# Altium PCB PCBDesign.PcbDoc (part 6 of 8) (continued)
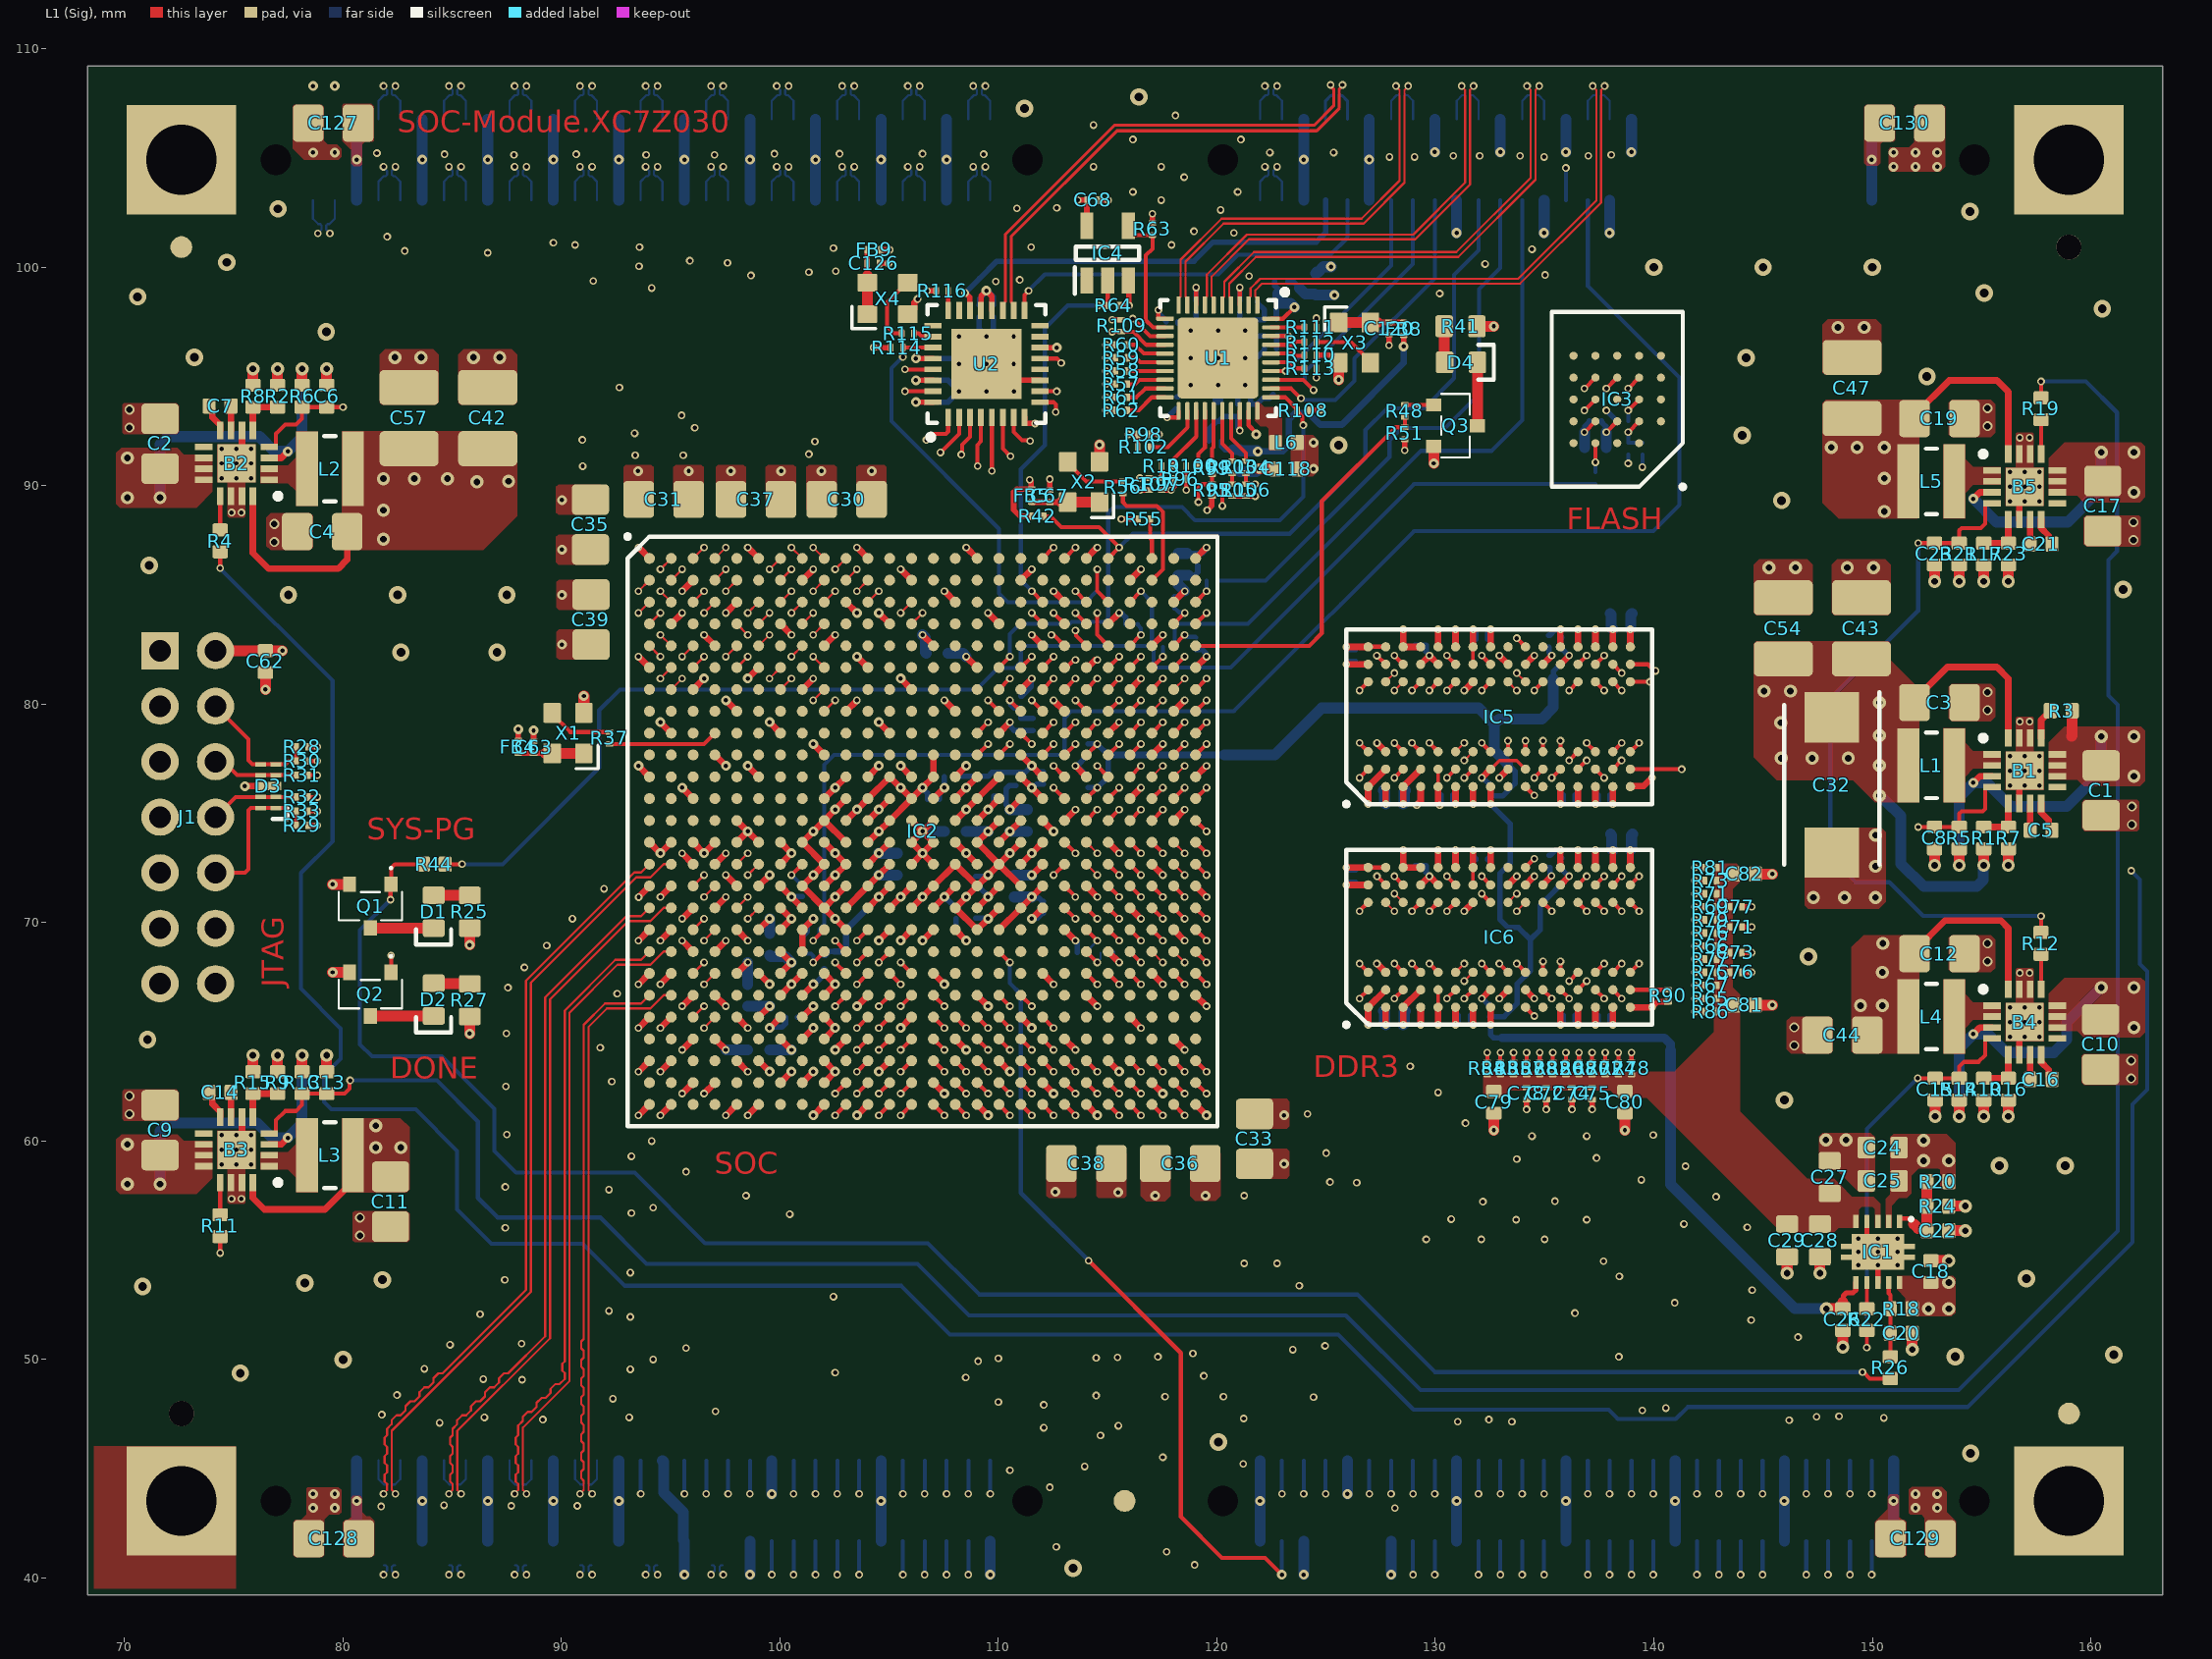
[diagram p0: L1 (Sig) view]
## Nets (pads, with @x,y where several pads share a name; then routed paths per layer and width w, separated by ;. In a path a pad name is that pad's centre, name@x,y a point inside that pad or via, vN(x,y) a via of type N, cw(c..) or ccw(c..) an arc to the next point about the centre after c; other vN are vias at no path point) (continued)
DDR_DQS0_N: IC2.G25 IC5.B7 | length 19.4
  L1 (Sig) w0.1: IC2.G25@118.025,80.675 v1(118.525,81.175) ; IC5.B7@127.725,81.025 v1(128.125,81.425)
  L7 (Sig) w0.09: v1(118.525,81.175) 118.3,80.95 118.3,80.843 118.353,80.79 120.75,80.79 120.865,80.79 120.944,80.869 120.944,82.129 121.164,82.349 121.995,82.349 122.214,82.129 122.214,80.869 122.293,80.79 122.432,80.79 122.647,80.79 122.84,80.597 122.84,79.503 122.893,79.45 123.497,79.45 123.69,79.257 123.69,78.818 123.743,78.765 124.397,78.765 124.45,78.818 124.45,80.182 124.643,80.375 125.757,80.375 125.81,80.428 125.81,81.282 126.003,81.475 126.589,81.475 126.919,81.145 127.075,81.145 127.12,81.145 127.173,81.198 127.173,81.437 127.222,81.486 127.614,81.486 127.663,81.437 127.663,81.198 127.715,81.145 127.948,81.145 128.072,81.145 128.125,81.198 v1(128.125,81.425)
DDR_DQS0_P: IC2.H24 IC5.C7 | length 19.4
  L1 (Sig) w0.1: IC2.H24@117.025,79.675 v1(117.525,80.175) ; v1(128.125,80.625) IC5.C7@128.525,81.025
  L7 (Sig) w0.09: v1(117.525,80.175) 117.575,80.225 117.575,80.375 117.75,80.55 120.225,80.55 120.75,80.55 120.965,80.55 121.184,80.77 121.184,82.03 121.263,82.109 121.895,82.109 121.974,82.03 121.974,80.77 122.194,80.55 122.432,80.55 122.547,80.55 122.6,80.497 122.6,79.403 122.793,79.21 123.397,79.21 123.45,79.157 123.45,78.718 123.643,78.525 124.497,78.525 124.69,78.718 124.69,80.082 124.743,80.135 125.857,80.135 126.05,80.328 126.05,81.182 126.103,81.235 126.49,81.235 126.82,80.905 128.072,80.905 128.125,80.852 v1(128.125,80.625)
DDR_DQS1_N: IC2.L25 IC5.G3 | length 20.6
  L1 (Sig) w0.1: IC2.L25@118.025,76.675 v1@118.525,77.176 ; v1(131.325,77.425) IC5.G3@131.725,77.825
  L5 (Sig) w0.09: v1(118.525,77.177) 118.198,77.177 118.145,77.23 118.145,77.475 118.22,77.55 118.675,77.55 118.85,77.375 119.225,77.375 119.4,77.55 119.85,77.55 120.025,77.375 120.4,77.375 120.575,77.55 121.139,77.55 122.349,78.76 122.446,78.76 123.399,78.76 123.459,78.7 123.459,78.375 123.66,78.175 124.337,78.175 124.537,78.375 124.537,78.7 124.597,78.76 124.735,78.76 125.1,78.76 125.315,78.76 125.515,78.96 125.515,79.155 125.575,79.215 126.053,79.215 126.113,79.155 126.113,78.778 126.313,78.577 126.991,78.577 127.191,78.778 127.191,79.155 127.251,79.215 127.729,79.215 127.789,79.155 127.789,78.778 127.989,78.577 128.667,78.577 128.867,78.778 128.867,79.155 128.927,79.215 129.405,79.215 129.465,79.155 129.465,78.96 129.665,78.76 129.925,78.76 130.022,78.76 130.075,78.707 130.075,77.898 130.398,77.575 130.85,77.575 130.98,77.705 131.123,77.705 131.273,77.704 131.325,77.652 v1(131.325,77.425)
DDR_DQS1_P: IC2.L24 IC5.F3 | length 20.6
  L1 (Sig) w0.1: IC2.L24@117.025,76.675 v1@117.525,77.176 ; IC5.F3@130.925,77.825 v1(131.325,78.225)
  L5 (Sig) w0.09: v1(117.525,77.177) 117.852,77.177 117.905,77.23 117.905,77.574 118.121,77.79 121.04,77.79 122.25,79 122.446,79 123.499,79 123.699,78.8 123.699,78.474 123.759,78.415 124.237,78.415 124.297,78.474 124.297,78.8 124.498,79 124.735,79 125.1,79 125.215,79 125.275,79.06 125.275,79.254 125.475,79.455 126.153,79.455 126.353,79.254 126.353,78.877 126.413,78.817 126.891,78.817 126.951,78.877 126.951,79.254 127.151,79.455 127.829,79.455 128.029,79.254 128.029,78.877 128.089,78.817 128.567,78.817 128.627,78.877 128.627,79.254 128.827,79.455 129.505,79.455 129.705,79.254 129.705,79.06 129.765,79 129.925,79 130.122,79 130.315,78.807 130.315,77.998 130.368,77.945 131.272,77.945 131.325,77.998 v1(131.325,78.225)
DDR_DQS2_N: IC2.R25 IC6.B7 | length 16.4
  L1 (Sig) w0.1: IC2.R25@118.025,72.675 v1(118.525,72.175) ; IC6.B7@127.725,70.925 v1(128.125,70.525)
  L7 (Sig) w0.09: v1(118.525,72.175) 118.525,72.502 118.578,72.555 119.054,72.555 121.231,72.555 121.443,72.343 121.595,72.191 121.878,72.191 122.235,72.548 122.319,72.548 122.657,72.209 122.657,72.125 122.19,71.658 122.19,71.374 122.669,70.895 122.953,70.895 123.42,71.363 123.504,71.363 123.843,71.024 123.843,70.94 123.486,70.583 123.486,70.3 123.68,70.105 123.936,69.85 124.647,69.85 124.84,70.043 124.84,70.901 124.939,71 126.711,71 126.906,70.805 128.072,70.805 128.125,70.752 v1(128.125,70.525)
DDR_DQS2_P: IC2.P25 IC6.C7 | length 16.4
  L1 (Sig) w0.1: IC2.P25@118.025,73.675 v1(118.525,73.175) ; v1(128.125,71.325) IC6.C7@128.525,70.925
  L7 (Sig) w0.09: v1(118.525,73.175) 118.525,72.848 118.578,72.795 118.955,72.795 121.33,72.795 121.612,72.513 121.694,72.431 121.779,72.431 122.135,72.788 122.419,72.788 122.897,72.309 122.897,72.025 122.43,71.558 122.43,71.474 122.769,71.135 122.853,71.135 123.32,71.603 123.604,71.603 124.083,71.124 124.083,70.84 123.726,70.484 123.726,70.399 123.85,70.275 124.035,70.09 124.547,70.09 124.6,70.143 124.6,71 124.84,71.24 126.81,71.24 127.005,71.045 128.072,71.045 128.125,71.098 v1(128.125,71.325)
DDR_DQS3_N: IC2.W25 IC6.G3 | length 17.3
  L1 (Sig) w0.1: IC2.W25@118.025,68.675 v1(118.525,68.175) ; v1(131.325,67.325) IC6.G3@131.725,67.725
  L5 (Sig) w0.09: v1(118.525,68.175) 118.198,68.175 118.145,68.228 118.145,68.45 118.245,68.55 120.225,68.55 121.964,68.55 122.489,69.075 124.75,69.075 130.082,69.075 130.135,69.022 130.135,67.798 130.328,67.605 130.422,67.605 130.475,67.552 130.475,67.378 130.528,67.325 130.797,67.325 130.85,67.378 130.85,67.525 130.93,67.605 131.272,67.605 131.325,67.552 v1(131.325,67.325)
DDR_DQS3_P: IC2.W24 IC6.F3 | length 17.3
  L1 (Sig) w0.1: IC2.W24@117.025,68.675 v1(117.525,68.175) ; IC6.F3@130.925,67.725 v1(131.325,68.125)
  L5 (Sig) w0.09: v1(117.525,68.175) 117.852,68.175 117.905,68.228 117.905,68.549 118.146,68.79 120.225,68.79 121.865,68.79 122.39,69.315 124.75,69.315 130.182,69.315 130.375,69.122 130.375,67.898 130.428,67.845 131.272,67.845 131.325,67.898 v1(131.325,68.125)
DDR_ODT: IC2.Y22 IC5.K1 IC6.K1 R87.2 | length 62.2
  L1 (Sig) w0.185: IC2.Y22@115.025,67.675 v1(115.525,67.175) ; IC6.K1@134.125,66.125 v1(134.525,65.725) ; IC5.K1@134.125,76.225 v1(134.525,75.825) ; R87.2@134.175,63.6 v1(134.175,64.05)
  L3 (Sig) w0.1: v1(115.525,67.175) 115.525,67.716 115.466,67.775 115.375,67.775 115.066,68.084 114.984,68.084 114.616,67.716 114.616,67.634 114.95,67.3 114.95,67.05 115.425,66.575 119.866,66.575 119.925,66.516 119.925,66.184 119.984,66.125 120.316,66.125 120.375,66.184 120.375,66.466 120.434,66.525 120.766,66.525 120.825,66.466 120.825,66.184 120.884,66.125 121.216,66.125 121.275,66.184 121.275,66.466 121.334,66.525 121.666,66.525 121.725,66.466 121.725,66.184 121.784,66.125 122.116,66.125 122.175,66.184 122.175,66.466 122.234,66.525 122.566,66.525 122.625,66.466 122.625,66.184 122.684,66.125 123.016,66.125 123.075,66.184 123.075,66.466 123.134,66.525 123.466,66.525 123.525,66.466 123.525,66.184 123.584,66.125 123.875,66.125 124.134,66.384 124.134,66.466 123.729,66.871 123.729,66.954 126.075,69.3 127.45,69.3 127.825,69.675 128.991,69.675 129.05,69.734 129.05,70.066 128.991,70.125 127.309,70.125 127.25,70.184 127.25,71.316 127.191,71.375 127.009,71.375 126.95,71.434 126.95,72.891 127.009,72.95 127.641,72.95 127.7,73.009 127.7,73.966 127.759,74.025 128.091,74.025 128.15,73.966 128.15,73.009 128.209,72.95 128.491,72.95 128.55,72.891 128.55,72.559 128.491,72.5 127.759,72.5 127.7,72.441 127.7,70.984 127.759,70.925 128.841,70.925 128.9,70.984 128.9,74.525 128.975,74.6 134.466,74.6 134.525,74.659 v1(134.525,75.825) ; v1(134.175,64.05) 134.175,65.375 v1(134.525,65.725)
  L5 (Sig) w0.1: v1(134.525,65.725) 134.184,65.725 134.125,65.784 134.125,65.9 134.125,65.95 134.066,66.009 133.679,66.009 133.629,66.059 133.629,66.459 133.679,66.509 134.122,66.509 134.172,66.559 134.172,66.959 134.122,67.009 133.679,67.009 133.629,67.059 133.629,67.459 133.679,67.509 134.066,67.509 134.125,67.567 134.125,67.923 134.125,75.766 134.184,75.825 v1(134.525,75.825)
DDR_RAS#: IC2.Y23 IC5.J3 IC6.J3 R84.2 | length 64.7
  L1 (Sig) w0.185: IC2.Y23@116.025,67.675 v1(116.525,67.175) ; R84.2@132.375,63.6 v1(132.375,64.05) ; v1(132.925,68.125) IC6.J3@133.325,67.725 ; IC5.J3@133.325,77.825 v1(133.325,78.325)
  L3 (Sig) w0.1: v1(116.525,67.175) 116.3,66.95 116.009,66.95 115.95,67.009 115.95,67.325 116.3,67.675 116.3,67.85 116.025,68.125 116.025,69.525 116.175,69.675 116.966,69.675 117.025,69.616 117.025,69.1 117.425,68.7 117.941,68.7 118,68.641 118,67.859 118.059,67.8 120.391,67.8 120.45,67.741 120.45,67.284 120.509,67.225 121.541,67.225 121.6,67.284 121.6,68.141 121.659,68.2 122.375,68.2 125.55,71.375 125.55,72.841 125.609,72.9 125.866,72.9 125.925,72.959 125.925,73.616 125.984,73.675 126.866,73.675 126.925,73.734 126.925,74.841 126.866,74.9 126.584,74.9 126.525,74.959 126.525,75.741 126.584,75.8 127.291,75.8 127.35,75.741 127.35,74.784 127.409,74.725 128.066,74.725 128.125,74.784 128.125,75.741 128.2,75.816 128.2,76.191 128.141,76.25 127.784,76.25 127.725,76.309 127.725,76.966 127.784,77.025 128.491,77.025 128.55,76.966 128.55,75.859 128.609,75.8 128.891,75.8 128.95,75.859 128.95,76.516 129.009,76.575 129.291,76.575 129.35,76.516 129.35,75.859 129.409,75.8 129.691,75.8 129.75,75.859 129.75,76.516 129.809,76.575 130.091,76.575 130.15,76.516 130.15,75.859 130.209,75.8 131.366,75.8 131.425,75.859 131.425,76.191 131.366,76.25 130.984,76.25 130.925,76.309 130.925,76.966 130.984,77.025 131.666,77.025 131.725,76.966 131.725,75.859 131.784,75.8 132.466,75.8 132.525,75.859 132.525,76.941 132.584,77 133.603,77 133.662,77.059 133.662,77.287 133.725,77.35 134.141,77.35 134.2,77.409 134.2,77.816 134.141,77.875 133.784,77.875 133.725,77.934 133.725,78.266 133.666,78.325 v1(133.325,78.325) ; v1(132.375,64.05) 132.348,64.05 132.248,64.15 132.173,64.225 132.173,65.923 132.525,66.275 132.525,67.725 v1(132.925,68.125)
  L5 (Sig) w0.1: v1(132.925,68.125) 132.925,75.741 132.866,75.8 132.559,75.8 132.501,75.859 132.501,78.941 132.559,79 133.266,79 133.325,78.941 v1(133.325,78.325)
DDR_RESET#: IC2.H22 IC5.T2 IC6.T2 R90.2 | length 64.2
  L1 (Sig) w0.185: IC2.H22@115.025,79.675 v1(115.525,80.175) ; IC6.T2@138.925,66.925 v1(139.925,66.925) R90.2@140.65,66.925 ; IC5.T2@138.925,77.025 141.199,77.025 v1(141.275,77.025)
  L5 (Sig) w0.1: v1(115.525,80.175) 116.025,80.675 117.525,80.675 118.525,81.675 119.675,81.675 122.239,84.239 122.375,84.375 122.731,84.375 122.789,84.316 122.789,82.724 122.839,82.674 123.239,82.674 123.289,82.724 123.289,84.345 123.339,84.395 123.739,84.395 123.789,84.345 123.789,82.724 123.839,82.674 124.239,82.674 124.289,82.724 124.289,84.316 124.348,84.375 124.75,84.375 124.773,84.375 125.323,84.375 125.381,84.316 125.381,83.456 125.431,83.406 125.831,83.406 125.881,83.456 125.881,84.339 125.931,84.389 126.331,84.389 126.381,84.339 126.381,83.456 126.431,83.406 126.831,83.406 126.881,83.456 126.881,84.339 126.931,84.389 127.331,84.389 127.381,84.339 127.381,83.456 127.431,83.406 127.831,83.406 127.881,83.456 127.881,84.316 127.94,84.375 128.35,84.375 133.175,84.375 133.325,84.225 133.325,79.809 133.384,79.75 141.216,79.75 141.275,79.691 141.275,77.008 141.441,76.841 141.441,67.809 141.383,67.75 140.884,67.75 140.825,67.691 140.825,67.384 140.884,67.325 141.341,67.325 141.4,67.266 141.4,66.984 141.341,66.925 v1(139.925,66.925)
DDR_VRP_N: IC2.V21 R92.2 | length 1.4
  L1 (Sig) w0.185: IC2.V21@114.025,69.675 v1(114.525,69.175)
  L10 (Sig) w0.1: R92.2@114.15,68.625 114.225,68.7 114.225,68.875 v1(114.525,69.175)
DDR_VRP_P: IC2.W21 R91.1 | length 1.2
  L1 (Sig) w0.185: IC2.W21@114.025,68.675 v1(114.525,68.175)
  L10 (Sig) w0.1: v1(114.525,68.175) 114.525,68.199 114.675,68.349 R91.1@114.675,68.625
DDR_WE#: IC2.V22 IC5.L3 IC6.L3 R85.2 | length 64.1
  L1 (Sig) w0.185: IC2.V22@115.025,69.675 v1(115.525,69.175) ; R85.2@133.575,63.6 v1(133.575,64.05) ; IC6.L3@134.925,67.725 v1(134.925,68.225) ; IC5.L3@134.925,77.825 v1(134.925,78.325)
  L3 (Sig) w0.1: v1(115.525,69.175) 115.525,68.634 115.466,68.575 115.009,68.575 114.95,68.634 114.95,69.425 115.275,69.75 115.725,69.75 116.123,70.148 116.123,70.373 116.325,70.575 117.066,70.575 117.125,70.516 117.125,69.975 117.475,69.625 117.75,69.625 117.9,69.475 117.9,69.175 118.5,68.575 119.941,68.575 120,68.516 120,68.209 120.059,68.15 120.766,68.15 120.825,68.091 120.825,67.634 120.884,67.575 121.216,67.575 121.275,67.634 121.275,68.5 121.35,68.575 122.075,68.575 125.225,71.725 125.225,71.925 125.054,72.096 124.971,72.096 122.704,69.829 122.621,69.829 122.375,70.075 122.375,70.158 124.666,72.45 125.05,72.45 125.225,72.625 125.225,73.009 125.45,73.234 125.45,73.991 125.509,74.05 126.466,74.05 126.525,74.109 126.525,74.491 126.466,74.55 126.179,74.55 126.12,74.609 126.12,76.166 126.179,76.225 127.241,76.225 127.3,76.284 127.3,77.266 127.359,77.325 128.741,77.325 128.8,77.266 128.8,76.95 128.875,76.875 130.116,76.875 130.175,76.934 130.175,77.216 130.234,77.275 130.866,77.275 130.925,77.334 130.925,77.766 130.984,77.825 131.666,77.825 131.725,77.766 131.725,77.4 132,77.125 132.3,77.125 132.5,77.325 133.341,77.325 133.4,77.384 133.4,77.866 133.341,77.925 132.984,77.925 132.925,77.984 132.925,78.641 132.984,78.7 134.866,78.7 134.925,78.641 v1(134.925,78.325) ; v1(133.575,64.05) 133.575,64.15 133.575,65.5 133.775,65.7 133.775,67.075 v1(134.925,68.225)
  L5 (Sig) w0.1: v1(134.925,68.225) 134.925,70.091 134.984,70.15 135.666,70.15 135.725,70.209 135.725,70.891 135.666,70.95 135.284,70.95 135.225,71.009 135.225,71.666 135.284,71.725 135.666,71.725 135.725,71.784 135.725,72.466 135.666,72.525 135.409,72.525 135.35,72.584 135.35,76.075 134.925,76.5 134.925,77 134.925,77.05 134.866,77.109 134.649,77.109 134.599,77.159 134.599,77.559 134.649,77.609 134.866,77.609 134.925,77.667 134.925,77.931 v1(134.925,78.325)
DDR_ZQ1: IC5.L8 R93.2 | length 1
  L1 (Sig) w0.3: IC5.L8@134.925,81.825 v1(135.325,82.225)
  L10 (Sig) w0.25: R93.2@135.175,82.6 135.2,82.6 135.2,82.375 135.325,82.25 v1(135.325,82.225)
DDR_ZQ2: IC6.L8 R94.2 | length 1
  L1 (Sig) w0.3: IC6.L8@134.925,71.725 134.925,71.736 135.314,72.125 v1(135.314,72.136)
  L10 (Sig) w0.25: R94.2@135.2,72.525 135.25,72.525 135.25,72.227 135.314,72.163 v1(135.314,72.136)
DONE: IC2.W9 Q2.1 R35.1 | length 22.2
  L1 (Sig) w0.185: Q2.1@82.2,67.725 v1(82.2,68.5) ; v1(101.525,68.175) IC2.W9@102.025,68.675
  L5 (Sig) w0.11: v1(82.2,68.5) 92.125,68.5 92.95,67.675 101.025,67.675 v1(101.525,68.175)
  L10 (Sig) w0.185: R35.1@101.025,68.575 101.417,68.575 101.525,68.467 v1(101.525,68.175)
ETH_CK_OUT: R112.1 X3.3 | length 2.9
  L1 (Sig) w0.185: R112.1@124.55,96.575 126.125,96.575 127.025,95.675 X3.3@127.025,95.625
ETH_CLK_25M: R112.2 U1.37 | length 1.6
  L1 (Sig) w0.185: U1.37@122.475,96.45 123.5,96.45 123.65,96.6 123.975,96.6 R112.2@124,96.575
ETH_CLK_125M_PL: IC2.AD14 R113.1 | length 53.1
  L1 (Sig) w0.185: IC2.AD14@107.025,63.675 v1(107.525,63.175) ; v1(124.55,94.95) R113.1@124.55,95.375
  L5 (Sig) w0.11: v1(107.525,63.175) 107.025,63.675 107.025,87.975 107.025,90.35 107.825,91.15 107.825,91.675 110.075,93.925 110.075,96.775 112.075,98.775 116.05,98.775 118.275,96.55 122.95,96.55 v1(124.55,94.95)
ETH_CLKOUT: R113.2 U1.35 | length 1.6
  L1 (Sig) w0.185: U1.35@122.475,95.65 123.35,95.65 123.625,95.375 R113.2@124,95.375
ETH_LED0: J2.47 U1.32 | length 14.2
  L1 (Sig) w0.185: U1.32@122.475,94.45 123.4,94.45 v1(123.85,94)
  L10 (Sig) w0.185: v1(123.85,94) 123.882,93.968 123.997,93.968 124.041,93.925 125.425,93.925 126.3,94.8 126.3,95.825 129.975,99.5 J2.47@129.975,103.075
ETH_LED1: J2.49 U1.33 | length 13.1
  L1 (Sig) w0.185: U1.33@122.475,94.85 123.95,94.85 v1(124.425,94.375)
  L10 (Sig) w0.185: v1(124.425,94.375) 124.025,94.775 124.025,95.2 128.975,100.15 J2.49@128.975,103.075
ETH_LED2: J2.51 U1.34 | length 10.5
  L1 (Sig) w0.185: U1.34@122.475,95.25 v1(123.15,95.25)
  L10 (Sig) w0.185: v1(123.15,95.25) 127.975,100.075 J2.51@127.975,103.075
ETH_MDC: IC2.A20 U1.13 | length 17.1
  L1 (Sig) w0.185: IC2.A20@113.025,86.675 v1(113.525,87.175) ; v1(116.15,97.65) 116.95,96.85 U1.13@117.625,96.85
  L7 (Sig) w0.1: v1(113.525,87.175) 113.85,87.5 113.85,87.975 113.85,98.5 114.2,98.85 115.041,98.85 115.1,98.791 115.1,98.4 115.85,97.65 v1(116.15,97.65)
ETH_MDI0_N: J2.34 U1.2 | length 25.4
  L1 (Sig) w0.1: U1.2@121.45,98.275 121.45,98.575 121.54,98.665 121.54,99.04 121.975,99.475 133.789,99.475 137.365,103.051 137.365,108.116 137.2,108.281 v1(137.2,108.3)
  L10 (Sig) w0.1: J2.34@136.975,106.775 136.975,107.625 137.225,107.875 137.306,107.875 137.365,107.934 137.365,108.116 137.2,108.281 v1(137.2,108.3)
ETH_MDI0_P: J2.32 U1.1 | length 25.4
  L1 (Sig) w0.1: U1.1@121.85,98.275 121.85,98.575 121.76,98.665 121.76,98.949 122.066,99.255 133.88,99.255 137.585,102.96 137.585,108.116 137.75,108.281 v1(137.75,108.3)
  L10 (Sig) w0.1: v1(137.75,108.3) 137.75,108.281 137.585,108.116 137.585,107.934 137.644,107.875 137.725,107.875 137.975,107.625 J2.32@137.975,106.775
ETH_MDI1_N: J2.40 U1.5 | length 23.2
  L1 (Sig) w0.1: U1.5@120.25,98.275 120.25,98.575 120.34,98.665 120.34,99.34 121.695,100.695 130.959,100.695 134.365,104.101 134.365,108.116 134.2,108.281 v1(134.2,108.3)
  L10 (Sig) w0.1: J2.40@133.975,106.775 133.975,107.625 134.225,107.875 134.306,107.875 134.365,107.934 134.365,108.116 134.2,108.281 v1(134.2,108.3)
ETH_MDI1_P: J2.38 U1.4 | length 23.2
  L1 (Sig) w0.1: U1.4@120.65,98.275 120.65,98.575 120.56,98.665 120.56,99.249 121.786,100.475 131.05,100.475 134.585,104.01 134.585,108.116 134.75,108.281 v1(134.75,108.3)
  L10 (Sig) w0.1: v1(134.75,108.3) 134.75,108.281 134.585,108.116 134.585,107.934 134.644,107.875 134.725,107.875 134.975,107.625 J2.38@134.975,106.775
ETH_MDI2_N: J2.46 U1.7 | length 21.3
  L1 (Sig) w0.1: U1.7@119.45,98.275 119.45,98.575 119.54,98.665 119.54,99.665 121.375,101.5 128.989,101.5 131.365,103.876 131.365,108.116 131.2,108.281 v1(131.2,108.3)
  L10 (Sig) w0.1: J2.46@130.975,106.775 130.975,107.625 131.225,107.875 131.306,107.875 131.365,107.934 131.365,108.116 131.2,108.281 v1(131.2,108.3)
ETH_MDI2_P: J2.44 U1.6 | length 21.3
  L1 (Sig) w0.1: U1.6@119.85,98.275 119.85,98.575 119.76,98.665 119.76,99.574 121.466,101.28 129.08,101.28 131.585,103.785 131.585,108.116 131.75,108.281 v1(131.75,108.3)
  L10 (Sig) w0.1: v1(131.75,108.3) 131.75,108.281 131.585,108.116 131.585,107.934 131.644,107.875 131.725,107.875 131.975,107.625 J2.44@131.975,106.775
ETH_MDI3_N: J2.52 U1.10 | length 19.8
  L1 (Sig) w0.1: U1.10@118.25,98.275 118.25,98.575 118.34,98.665 118.34,100.351 120.214,102.225 126.625,102.225 128.365,103.965 128.365,108.116 128.2,108.281 v1(128.2,108.3)
  L10 (Sig) w0.1: J2.52@127.975,106.775 127.975,107.625 128.225,107.875 128.306,107.875 128.365,107.934 128.365,108.116 128.2,108.281 v1(128.2,108.3)
ETH_MDI3_P: J2.50 U1.9 | length 19.8
  L1 (Sig) w0.1: U1.9@118.65,98.275 118.65,98.575 118.56,98.665 118.56,100.26 120.305,102.005 126.716,102.005 128.585,103.874 128.585,108.116 128.75,108.281 v1(128.75,108.3)
  L10 (Sig) w0.1: v1(128.75,108.3) 128.75,108.281 128.585,108.116 128.585,107.934 128.644,107.875 128.725,107.875 128.975,107.625 J2.50@128.975,106.775
ETH_MDIO: IC2.A19 R109.2 U1.14 | length 15.6
  L1 (Sig) w0.185: IC2.A19@112.025,86.675 v1(112.525,87.175) ; v1(115.2,97.05) R109.2@115.625,97.05 ; R109.2@115.65,97.05 116.175,97.05 116.775,96.45 U1.14@117.625,96.45
  L3 (Sig) w0.1: v1(112.525,87.175) 112.525,88.325 112.775,88.575 113.966,88.575 114.025,88.634 114.025,96.9 114.175,97.05 v1(115.2,97.05)
ETH_NINT: IC2.F17 R108.2 U1.31 | length 26.6
  L1 (Sig) w0.185: IC2.F17@110.025,81.675 v1(110.525,82.175) ; U1.31@122.475,94.05 123.125,94.05 123.675,93.5 123.675,93.4 123.918,93.157 123.918,92.807 v1(123.95,92.775)
  L10 (Sig) w0.185: v1(110.525,82.175) 110.525,83.2 111,83.675 113.267,83.675 113.362,83.769 114.869,83.769 115.025,83.925 115.025,88.775 115.275,89.025 118.4,89.025 119,88.425 122.873,88.425 123.95,89.502 v1(123.95,92.775)
ETH_NRST: IC2.C19 IC4.2 R64.2 | length 17.9
  L1 (Sig) w0.185: v1(111.525,85.175) IC2.C19@112.025,84.675 ; v1(114.575,98.25) R64.2@115,98.25 IC4.2@115,99.396
  L10 (Sig) w0.185: v1(111.525,85.175) 111.025,85.675 111.025,90.75 112.125,91.85 112.125,97.2 113.175,98.25 v1(114.575,98.25)
ETH_NRST_3V3: IC4.4 R63.1 U1.12 | length 6.4
  L1 (Sig) w0.185: IC4.4@115.95,101.896 115.95,101.682 116.158,101.475 R63.1@117.05,101.475 117.05,100.85 116.75,100.55 116.75,97.575 117.075,97.25 U1.12@117.625,97.25
ETH_PHY_RXD0: R100.1 U1.24 | length 2.6
  L1 (Sig) w0.185: R100.1@119.15,90.9 119.15,91.45 119.45,91.75 U1.24@119.45,93.425
ETH_PHY_RXD1: R101.1 U1.23 | length 2.9
  L1 (Sig) w0.185: R101.1@118.025,90.9 118.025,91.225 119.05,92.25 U1.23@119.05,93.425
ETH_PHY_RXD2: R102.1 U1.22 | length 2.8
  L1 (Sig) w0.185: R102.1@116.925,91.775 117.75,91.775 118.65,92.675 U1.22@118.65,93.425
ETH_PHY_RXD3: R103.1 U1.26 | length 2.5
  L1 (Sig) w0.185: U1.26@120.25,93.425 120.25,91.925 120.7,91.475 R103.1@120.7,91.125
ETH_PHY_RXDCLK: R99.1 U1.25 | length 2.4
  L1 (Sig) w0.185: R99.1@119.775,91.075 119.775,91.7 119.85,91.775 U1.25@119.85,93.425
ETH_PHY_RXDCTL: R104.1 U1.27 | length 2.6
  L1 (Sig) w0.185: U1.27@120.65,93.425 120.65,92.175 121.325,91.5 R104.1@121.325,91.125 R104.1@121.325,91.1
ETH_PHY_TXD0: R58.1 U1.17 | length 1.7
  L1 (Sig) w0.185: R58.1@115.9,95.25 U1.17@117.625,95.25
ETH_PHY_TXD1: R59.1 U1.16 | length 1.8
  L1 (Sig) w0.185: R59.1@115.9,95.85 116.3,95.85 116.5,95.65 U1.16@117.625,95.65
ETH_PHY_TXD2: R60.1 U1.15 | length 1.9
  L1 (Sig) w0.185: R60.1@115.9,96.45 116.25,96.45 116.65,96.05 U1.15@117.625,96.05
ETH_PHY_TXD3: R61.1 U1.19 | length 1.9
  L1 (Sig) w0.185: R61.1@115.9,94.05 116.325,94.05 116.725,94.45 U1.19@117.625,94.45
ETH_PHY_TXDCLK: R57.1 U1.18 | length 1.8
  L1 (Sig) w0.185: R57.1@115.9,94.65 116.25,94.65 116.45,94.85 U1.18@117.625,94.85
ETH_PHY_TXDCTL: R62.1 U1.20 | length 2
  L1 (Sig) w0.185: R62.1@115.9,93.45 116.425,93.45 117.025,94.05 U1.20@117.625,94.05
ETH_REG_OUT: L6.1 U1.30
ETH_RSET: R111.2 U1.39 | length 1.5
  L1 (Sig) w0.185: U1.39@122.475,97.25 R111.2@124,97.25
ETH_RXD0: IC2.F20 R96.2 R100.2 | length 24.5
  L1 (Sig) w0.185: IC2.F20@113.025,81.675 113.11,81.675 113.429,81.993 113.493,81.993 v1(113.525,82.025) ; v1(118.6,89.8) R96.2@118.6,90.3 R100.2@118.6,90.9
  L7 (Sig) w0.1: v1(113.525,82.025) 113.525,81.659 113.584,81.6 115.448,81.6 115.877,82.029 115.877,82.052 115.9,82.075 115.9,83.2 116.312,83.612 116.393,83.693 116.393,83.775 116.356,83.812 116.356,83.883 116.638,84.166 116.709,84.166 116.985,83.89 117.056,83.89 117.339,84.173 117.339,84.243 117.063,84.52 117.063,84.59 117.346,84.873 117.416,84.873 117.692,84.597 117.763,84.597 118.046,84.88 118.046,84.951 117.89,85.107 117.89,85.19 117.925,85.225 118.325,85.625 118.866,85.625 118.925,85.684 118.925,85.966 118.866,86.025 117.909,86.025 117.85,86.084 117.85,86.366 117.909,86.425 119.266,86.425 119.325,86.484 119.325,86.766 119.266,86.825 117.909,86.825 117.85,86.884 117.85,87.166 117.909,87.225 119.091,87.225 119.15,87.284 119.15,87.566 119.091,87.625 117.909,87.625 117.85,87.684 117.85,87.966 117.859,87.975 117.909,88.025 118.791,88.025 118.85,88.084 118.85,88.366 118.791,88.425 117.934,88.425 117.875,88.484 117.875,88.791 117.934,88.85 118.541,88.85 118.6,88.909 v1(118.6,89.8)
ETH_RXD1: IC2.J19 R97.2 R101.2 R107.1 | length 23.3
  L1 (Sig) w0.185: IC2.J19@112.025,78.675 v1(112.525,79.175) ; v1(116.475,90.35) R107.1@116.9,90.35 R97.2@117.475,90.35 R101.2@117.475,90.9
  L7 (Sig) w0.1: v1(112.525,79.175) 112.525,79.616 112.466,79.675 111.525,79.675 111.025,80.175 111.025,81.616 111.084,81.675 111.991,81.675 112.05,81.616 112.05,80.734 112.109,80.675 112.966,80.675 113.025,80.734 113.025,82.2 113.225,82.4 114.425,82.4 117.525,85.5 117.525,87.975 117.525,90.941 117.466,91 116.534,91 116.475,90.941 v1(116.475,90.35)
ETH_RXD2: IC2.F19 R98.2 R102.2 | length 25.9
  L1 (Sig) w0.185: IC2.F19@112.025,81.675 v1(112.525,82.175) ; v1(115.95,92.35) R98.2@116.375,92.35 R102.2@116.375,91.775
  L7 (Sig) w0.1: v1(112.525,82.175) 113.05,82.7 114.1,82.7 115.15,83.75 115.15,84.491 115.209,84.55 116.066,84.55 116.125,84.609 116.125,85.041 116.066,85.1 115.459,85.1 115.4,85.159 115.4,86.041 115.459,86.1 115.966,86.1 116.025,86.041 116.025,85.734 116.084,85.675 117.091,85.675 117.15,85.734 117.15,86.491 117.091,86.55 116.409,86.55 116.35,86.609 116.35,86.941 116.409,87 117.091,87 117.15,87.059 117.15,87.391 117.091,87.45 116.409,87.45 116.35,87.509 116.35,87.841 116.409,87.9 117.091,87.9 117.15,87.959 117.15,88.291 117.091,88.35 116.409,88.35 116.35,88.409 116.35,88.741 116.409,88.8 117.091,88.8 117.15,88.859 117.15,89.216 117.091,89.275 116.025,89.275 115.95,89.35 115.95,89.525 115.95,89.575 115.891,89.634 115.587,89.634 115.542,89.679 115.542,90.039 115.587,90.084 116.061,90.084 116.106,90.129 116.106,90.489 116.061,90.534 115.587,90.534 115.542,90.579 115.542,90.939 115.587,90.984 116.061,90.984 116.106,91.029 116.106,91.389 116.061,91.434 115.587,91.434 115.542,91.479 115.542,91.839 115.587,91.884 115.891,91.884 115.95,91.942 115.95,92.275 v1(115.95,92.35)
ETH_RXD3: IC2.H17 R103.2 R105.1 | length 25.9
  L1 (Sig) w0.185: v1(109.525,80.175) IC2.H17@110.025,79.675 ; v1(120.25,89.075) 120.25,89.925 120.398,90.073 120.698,90.073 R105.1@120.7,90.075 R103.2@120.7,90.525
  L7 (Sig) w0.1: v1(109.525,80.175) 109.525,79.734 109.584,79.675 110.966,79.675 111.025,79.616 111.025,78.734 111.084,78.675 112.991,78.675 113.05,78.734 113.05,79.616 113.109,79.675 114.941,79.675 115,79.734 115,80.616 115.059,80.675 115.7,80.675 116.025,81 116.025,81.225 116.475,81.675 116.6,81.675 117,82.075 117,82.25 117.4,82.65 117.5,82.65 118.525,83.675 118.75,83.675 119,83.925 119,84.4 119.3,84.7 119.8,84.7 120.575,85.475 121.891,85.475 121.95,85.534 121.95,89.016 121.891,89.075 v1(120.25,89.075)
ETH_RXDCLK: IC2.G22 R95.2 R99.2 | length 13.2
  L1 (Sig) w0.185: IC2.G22@115.025,80.675 v1(115.525,81.175) ; v1(119.15,89.25) 119.155,89.255 119.155,89.905 119.323,90.073 119.773,90.073 R95.2@119.775,90.075 R99.2@119.775,90.525
  L7 (Sig) w0.1: v1(115.525,81.175) 116.15,81.8 116.15,82.35 116.35,82.55 116.65,82.55 117.125,83.025 117.125,83.525 118.175,84.575 118.55,84.575 119.025,85.05 119.025,85.325 120.075,86.375 120.075,87.55 119.15,88.475 v1(119.15,89.25)
ETH_RXDCTL: IC2.F18 R104.2 R106.1 | length 25.7
  L1 (Sig) w0.185: IC2.F18@111.025,81.675 v1(111.525,82.175) ; R106.1@121.325,90.075 R104.2@121.325,90.525 ; R106.1@121.325,90.075 v1(121.75,90.075)
  L7 (Sig) w0.1: v1(111.525,82.175) 111.525,82.716 111.584,82.775 112.525,82.775 112.75,83 113.85,83 114.9,84.05 114.9,86.025 116.025,87.15 116.025,87.816 115.966,87.875 115.234,87.875 115.175,87.934 115.175,87.975 115.175,93.016 115.234,93.075 116.741,93.075 116.8,93.016 116.8,91.984 116.859,91.925 119.091,91.925 119.15,91.866 119.15,90.134 119.209,90.075 v1(121.75,90.075)
ETH_TXD0: IC2.G17 R58.2 | length 27.8
  L1 (Sig) w0.185: IC2.G17@110.025,80.675 v1(110.525,81.175) ; v1(114.925,95.25) R58.2@115.35,95.25
  L5 (Sig) w0.1: v1(110.525,81.175) 109.859,81.175 109.8,81.234 109.8,82.141 109.741,82.2 109.384,82.2 109.325,82.141 109.325,80.734 109.384,80.675 113.55,80.675 114.075,80.15 114.591,80.15 114.65,80.209 114.65,80.55 113.575,81.625 113.15,81.625 113.025,81.75 113.025,85.438 113.025,85.583 112.966,85.641 112.9,85.641 112.85,85.691 112.85,86.091 112.9,86.141 113.131,86.141 113.181,86.191 113.181,86.591 113.131,86.641 113.084,86.641 113.025,86.7 113.025,86.75 113.025,88.516 113.084,88.575 113.466,88.575 113.525,88.634 113.525,93.85 v1(114.925,95.25)
ETH_TXD1: IC2.G20 R59.2 | length 18
  L1 (Sig) w0.185: IC2.G20@113.025,80.675 v1(113.525,81.175) ; v1(114.925,95.85) R59.2@115.35,95.85
  L5 (Sig) w0.1: v1(113.525,81.175) 113.477,81.223 113.027,81.223 112.6,81.65 112.475,81.65 112.025,82.1 112.025,87.975 112.025,88.125 113,89.1 113,93.925 v1(114.925,95.85)
ETH_TXD2: IC2.G19 R60.2 | length 25.2
  L1 (Sig) w0.185: IC2.G19@112.025,80.675 v1(112.525,81.175) ; v1(114.925,96.45) R60.2@115.35,96.45
  L5 (Sig) w0.1: v1(112.525,81.175) 112.009,81.175 111.95,81.234 111.95,81.616 111.891,81.675 110.184,81.675 110.125,81.734 110.125,82.616 110.184,82.675 110.966,82.675 111.025,82.734 111.025,88.591 111.084,88.65 111.891,88.65 111.95,88.709 111.95,90.925 112.1,91.075 112.1,93.191 112.041,93.25 111.759,93.25 111.7,93.309 111.7,97.016 111.759,97.075 114.441,97.075 114.5,97.016 114.5,96.509 114.559,96.45 v1(114.925,96.45)